# Altium PCB CL-HC-M-V2.2.PcbDoc (part 5 of 18) (continued)
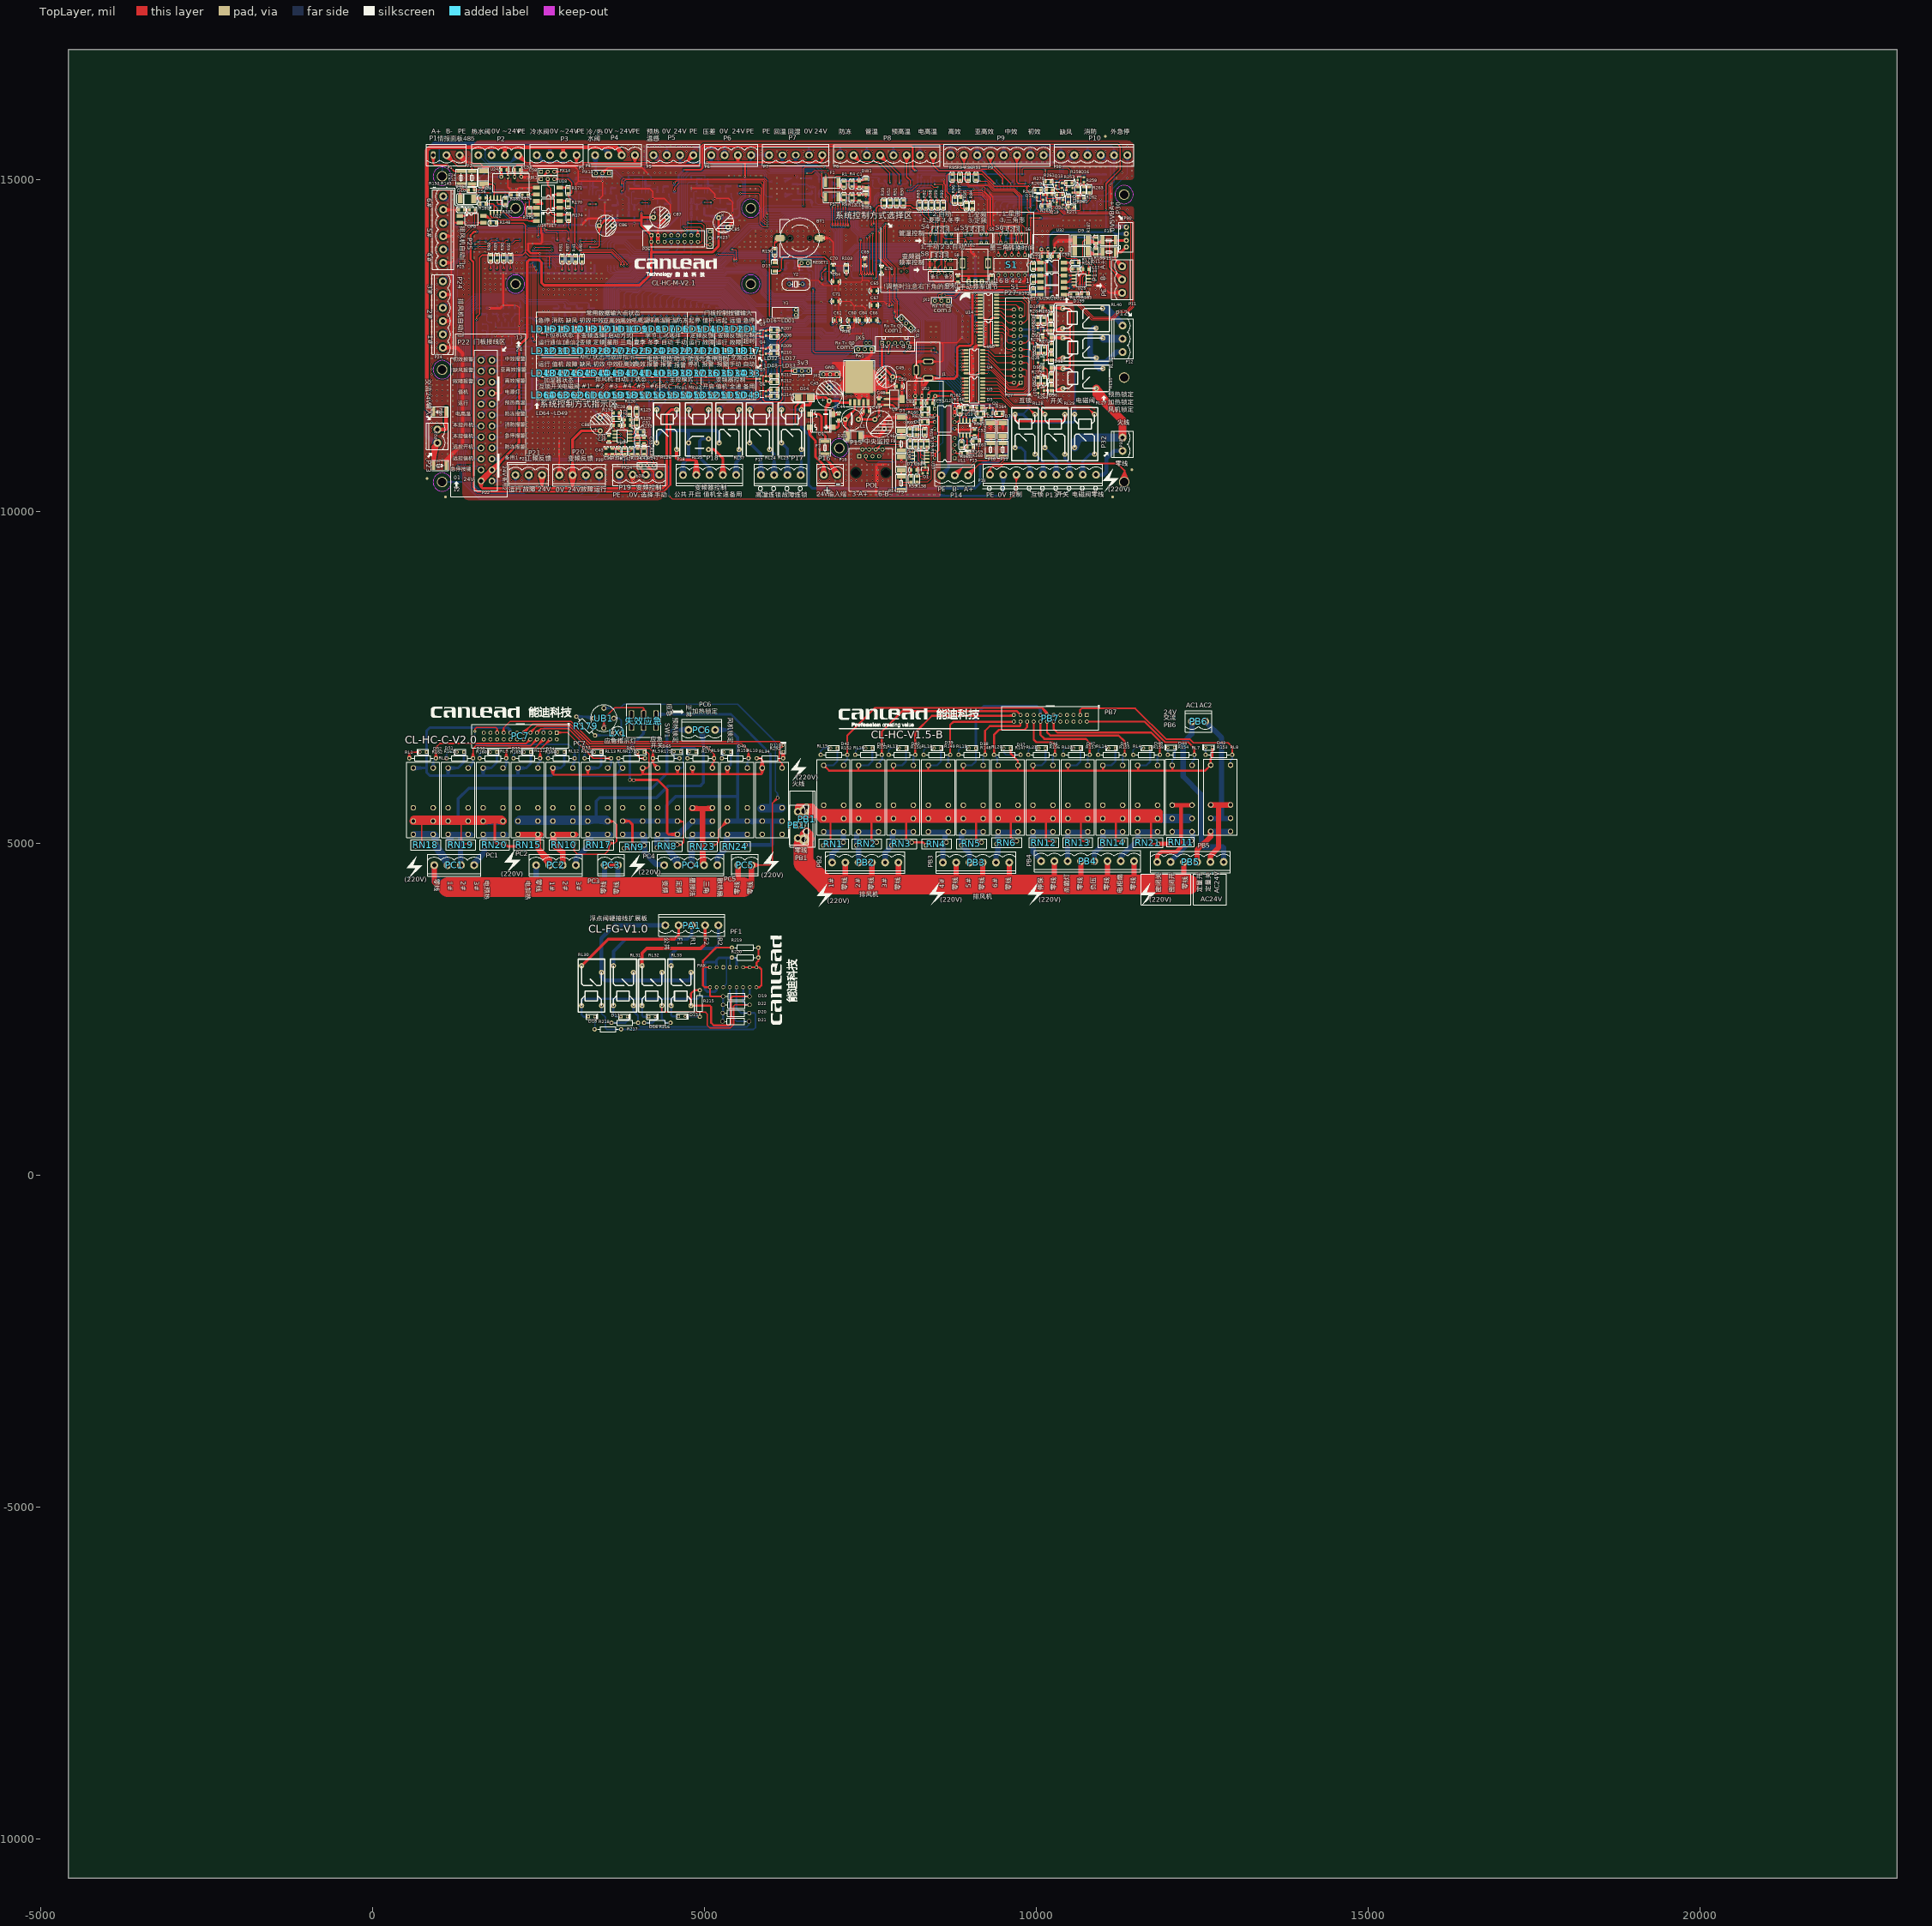
[diagram p0: TopLayer view]
## Nets (pads, with @x,y where several pads share a name; then routed paths per layer and width w, separated by ;. In a path a pad name is that pad's centre, name@x,y a point inside that pad or via, vN(x,y) a via of type N, cw(c..) or ccw(c..) an arc to the next point about the centre after c; other vN are vias at no path point) (continued)
  TopLayer w15: v1(9792.04,15083.71) 9792.04,15158.71 9809.31,15175.98 10478.86,15175.98 10511.13,15143.71 v1(10511.13,15083.5)
  TopLayer w30: 4487.86,11224.73 v1(4487.86,11327.23) 4487.86,10403.03 4383.54,10298.71 1585.68,10298.71 1520.21,10364.17 1520.21,13760.54 1478.41,13802.34 1478.41,14165.07 1527.5,14214.16 ; v1(4694.98,15148.71) 4944.57,15148.71 4971.62,15175.76 4971.62,15473.93 4998.72,15501.03 8120.73,15501.03 8138.93,15482.83 8138.93,15176.44 v1(8178.82,15136.55) ; v1(6370.29,11325.43) 6370.29,11579.11 6413.18,11622 ; D14.K@6378.74,11713.9 6413.18,11622 ; D14.K@6447.62,11713.9 6413.18,11622 ; 1527.5,14214.16 v1(1565.68,14214.16) 1527.5,14214.16 ; 6413.18,11622 D14.K@6413.18,11720.15 6413.18,11622
  BottomLayer w15: R57.1@1622.38,14213.36 R64.1@1707.38,14213.36 R73.1@1962.38,14213.36 R74.1@2047.38,14213.36 R79.1@2132.38,14213.36 R80.1@2217.38,14213.36 R53.1@2697.38,14213.36 R54.1@2782.38,14213.36 R55.1@2867.38,14213.36 R56.1@2957.38,14213.36 R17.1@3047.38,14213.36 R251.1@3132.38,14213.36 R16.1@3222.38,14213.36 R250.1@3307.38,14213.36 ; R57.1@1626.53,14200.89 R64.1@1692.1,14202.69 ; R57.1@1626.53,14225.83 R64.1@1692.1,14224.03 ; R57.1@1630.57,14201.27 R64.1@1692.1,14224.03 ; R57.1@1630.57,14225.44 R64.1@1692.1,14202.69 ; R64.1@1701.17,14200.92 R57.1@1637.38,14213.36 ; R64.1@1701.17,14225.8 R57.1@1637.38,14213.36 ; R64.1@1702.38,14213.36 R57.1@1637.38,14213.36 ; R64.1@1711.33,14225.81 R65.1@1777.03,14225.07 ; R64.1@1711.73,14200.87 R65.1@1777.15,14203.73 ; R64.1@1713.38,14225.82 R65.1@1777.37,14214.38 ; R64.1@1713.58,14200.92 R65.1@1777.38,14213.36 ; R64.1@1713.58,14225.8 R65.1@1777.38,14213.36 ; R64.1@1713.77,14200.94 R65.1@1777.37,14214.38 ; R64.1@1715.38,14225.49 R65.1@1777.15,14203.73 ; R64.1@1715.76,14201.33 R65.1@1777.03,14225.07 ; R65.1@1785.94,14226.98 R64.1@1722.36,14213.36 ; R65.1@1786.4,14202.1 R64.1@1722.36,14213.36 ; R65.1@1787.38,14214.57 R64.1@1722.36,14213.36 ; R65.1@1797.38,14214.57 R72.1@1862.4,14213.36 ; R65.1@1798.35,14202.1 R72.1@1862.4,14213.36 ; R65.1@1798.81,14226.98 R72.1@1862.4,14213.36 ; R72.1@1869.14,14226.64 R65.1@1807.84,14203.77 ; R72.1@1869.2,14202.47 R65.1@1807.37,14225.15 ; R72.1@1870.94,14226.98 R65.1@1807.35,14213.36 ; R72.1@1871.14,14227 R65.1@1807.31,14214.38 ; R72.1@1871.21,14202.12 R65.1@1807.31,14214.38 ; R72.1@1871.41,14202.1 R65.1@1807.35,14213.36 ; R72.1@1873.2,14227.04 R65.1@1807.37,14225.15 ; R72.1@1873.25,14202.1 R65.1@1807.84,14203.77 ; R72.1@1881.3,14202.11 R73.1@1946.83,14202.74 ; R72.1@1881.75,14227.05 R73.1@1947.42,14224.09 ; R72.1@1885.35,14202.43 R73.1@1947.42,14224.09 ; R72.1@1885.79,14226.59 R73.1@1946.83,14202.74 ; R73.1@1956.17,14200.92 R72.1@1892.38,14213.36 ; R73.1@1956.17,14225.8 R72.1@1892.38,14213.36 ; R73.1@1957.38,14213.36 R72.1@1892.38,14213.36 ; R73.1@1967.38,14213.36 R74.1@2032.38,14213.36 ; R73.1@1968.58,14200.92 R74.1@2032.38,14213.36 ; R73.1@1968.58,14225.8 R74.1@2032.38,14213.36 ; R74.1@2039.18,14201.27 R73.1@1977.66,14224.03 ; R74.1@2039.18,14225.44 R73.1@1977.66,14202.69 ; R74.1@2043.22,14200.89 R73.1@1977.66,14202.69 ; R74.1@2043.22,14225.83 R73.1@1977.66,14224.03 ; R74.1@2051.53,14200.89 R79.1@2117.1,14202.69 ; R74.1@2051.53,14225.83 R79.1@2117.1,14224.03 ; R74.1@2055.57,14201.27 R79.1@2117.1,14224.03 ; R74.1@2055.57,14225.44 R79.1@2117.1,14202.69 ; R79.1@2126.17,14200.92 R74.1@2062.38,14213.36 ; R79.1@2126.17,14225.8 R74.1@2062.38,14213.36 ; R79.1@2127.38,14213.36 R74.1@2062.38,14213.36 ; R79.1@2136.53,14200.89 R80.1@2202.1,14202.69 ; R79.1@2136.53,14225.83 R80.1@2202.1,14224.03 ; R79.1@2140.57,14201.27 R80.1@2202.1,14224.03 ; R79.1@2140.57,14225.44 R80.1@2202.1,14202.69 ; R80.1@2211.17,14200.92 R79.1@2147.38,14213.36 ; R80.1@2211.17,14225.8 R79.1@2147.38,14213.36 ; R80.1@2212.38,14213.36 R79.1@2147.38,14213.36 ; R80.1@2222.38,14213.36 2287.38,14213.36 ; R80.1@2223.58,14200.92 2287.38,14213.36 ; R80.1@2223.58,14225.8 2287.38,14213.36 ; R53.1@2691.17,14200.92 2627.38,14213.36 ; R53.1@2691.17,14225.8 2627.38,14213.36 ; R53.1@2692.38,14213.36 2627.38,14213.36 ; R53.1@2702.38,14213.36 R54.1@2767.38,14213.36 ; R53.1@2703.58,14200.92 R54.1@2767.38,14213.36 ; R53.1@2703.58,14225.8 R54.1@2767.38,14213.36 ; R54.1@2774.18,14201.27 R53.1@2712.66,14224.03 ; R54.1@2774.18,14225.44 R53.1@2712.66,14202.69 ; R54.1@2778.22,14200.89 R53.1@2712.66,14202.69 ; R54.1@2778.22,14225.83 R53.1@2712.66,14224.03 ; R54.1@2787.38,14213.36 R55.1@2852.38,14213.36 ; R54.1@2788.58,14200.92 R55.1@2852.38,14213.36 ; R54.1@2788.58,14225.8 R55.1@2852.38,14213.36 ; R55.1@2859.18,14201.27 R54.1@2797.66,14224.03 ; R55.1@2859.18,14225.44 R54.1@2797.66,14202.69 ; R55.1@2863.22,14200.89 R54.1@2797.66,14202.69 ; R55.1@2863.22,14225.83 R54.1@2797.66,14224.03 ; R55.1@2872.38,14213.36 R56.1@2937.38,14213.36 ; R55.1@2873.58,14200.92 R56.1@2937.38,14213.36 ; R55.1@2873.58,14225.8 R56.1@2937.38,14213.36 ; R56.1@2949.36,14201.23 R55.1@2887.1,14223.16 ; R56.1@2949.36,14225.49 R55.1@2887.1,14203.55 ; R56.1@2953.05,14200.88 R55.1@2887.1,14203.55 ; R56.1@2953.05,14225.84 R55.1@2887.1,14223.16 ; R56.1@2961.7,14200.88 R17.1@3027.66,14203.55 ; R56.1@2961.7,14225.84 R17.1@3027.66,14223.16 ; R56.1@2965.39,14201.23 R17.1@3027.66,14223.16 ; R56.1@2965.39,14225.49 R17.1@3027.66,14203.55 ; R17.1@3041.17,14200.92 R56.1@2977.38,14213.36 ; R17.1@3041.17,14225.8 R56.1@2977.38,14213.36 ; R17.1@3042.38,14213.36 R56.1@2977.38,14213.36 ; R17.1@3051.53,14200.89 R251.1@3117.1,14202.69 ; R17.1@3051.53,14225.83 R251.1@3117.1,14224.03 ; R17.1@3055.57,14201.27 R251.1@3117.1,14224.03 ; R17.1@3055.57,14225.44 R251.1@3117.1,14202.69 ; R251.1@3126.17,14200.92 R17.1@3062.38,14213.36 ; R251.1@3126.17,14225.8 R17.1@3062.38,14213.36 ; R251.1@3127.38,14213.36 R17.1@3062.38,14213.36 ; R251.1@3137.38,14213.36 R16.1@3202.38,14213.36 ; R251.1@3138.58,14200.92 R16.1@3202.38,14213.36 ; R251.1@3138.58,14225.8 R16.1@3202.38,14213.36 ; R16.1@3214.36,14201.23 R251.1@3152.1,14223.16 ; R16.1@3214.36,14225.49 R251.1@3152.1,14203.55 ; R16.1@3218.05,14200.88 R251.1@3152.1,14203.55 ; R16.1@3218.05,14225.84 R251.1@3152.1,14223.16 ; R16.1@3226.53,14200.89 R250.1@3292.1,14202.69 ; R16.1@3226.53,14225.83 R250.1@3292.1,14224.03 ; R16.1@3230.57,14201.27 R250.1@3292.1,14224.03 ; R16.1@3230.57,14225.44 R250.1@3292.1,14202.69 ; R250.1@3301.17,14200.92 R16.1@3237.38,14213.36 ; R250.1@3301.17,14225.8 R16.1@3237.38,14213.36 ; R250.1@3302.38,14213.36 R16.1@3237.38,14213.36 ; R22.1@10466.61,15080.04 10463.86,15083.5 v1(10511.13,15083.5) ; R22.1@10471.61,15080.04 v1(10511.13,15083.5) ; R22.1@10472.49,15092.51 v1(10511.13,15083.5) ; R22.1@10474.64,15067.91 v1(10511.13,15083.5) ; R23.1@10542.38,15071.22 v1(10511.13,15083.5) ; R23.1@10542.38,15095.78 v1(10511.13,15083.5) ; R23.1@10544.71,15083.5 v1(10511.13,15083.5) ; R23.1@10554.71,15083.5 R20.1@10619.71,15083.5 ; R23.1@10555.91,15071.06 R20.1@10619.71,15083.5 ; R23.1@10555.91,15095.94 R20.1@10619.71,15083.5 ; R20.1@10625.63,15071.42 R23.1@10564.19,15094.32 ; R20.1@10625.63,15095.57 R23.1@10564.19,15072.67 ; R20.1@10629.74,15071.03 R23.1@10564.19,15072.67 ; R20.1@10629.74,15095.97 R23.1@10564.19,15094.32 ; R20.1@10638.01,15071.03 R21.1@10703.58,15072.83 ; R20.1@10638.01,15095.97 R21.1@10703.58,15094.17 ; R20.1@10642.06,15071.41 R21.1@10703.58,15094.17 ; R20.1@10642.06,15095.58 R21.1@10703.58,15072.83 ; R21.1@10712.66,15071.06 R20.1@10648.86,15083.5 ; R21.1@10712.66,15095.94 R20.1@10648.86,15083.5 ; R21.1@10713.86,15083.5 R20.1@10648.86,15083.5 ; R21.1@10723.04,15071.02 R18.1@10788.64,15072.98 ; R21.1@10723.04,15095.97 R18.1@10788.64,15094.02 ; R21.1@10727.03,15071.41 R18.1@10788.64,15094.02 ; R21.1@10727.03,15095.59 R18.1@10788.64,15072.98 ; R18.1@10798.5,15071.06 R21.1@10734.71,15083.5 ; R18.1@10798.5,15095.94 R21.1@10734.71,15083.5 ; R18.1@10799.71,15083.5 R21.1@10734.71,15083.5 ; R18.1@10809.71,15083.5 R19.1@10874.71,15083.5 ; R18.1@10810.91,15071.06 R19.1@10874.71,15083.5 ; R18.1@10810.91,15095.94 R19.1@10874.71,15083.5 ; R19.1@10885.81,15071.38 R18.1@10823.72,15093.44 ; R19.1@10885.81,15095.62 R18.1@10823.72,15073.55 ; R19.1@10889.56,15071.02 R18.1@10823.72,15073.55 ; R19.1@10889.56,15095.98 R18.1@10823.72,15093.44 ; R19.1@10898.01,15071.03 R10.1@10963.58,15072.83 ; R19.1@10898.01,15095.97 R10.1@10963.58,15094.17 ; R19.1@10902.06,15071.41 R10.1@10963.58,15094.17 ; R19.1@10902.06,15095.58 R10.1@10963.58,15072.83 ; R10.1@10972.66,15071.06 R19.1@10908.86,15083.5 ; R10.1@10972.66,15095.94 R19.1@10908.86,15083.5 ; R10.1@10973.86,15083.5 R19.1@10908.86,15083.5 ; R10.1@10983.86,15083.5 R14.1@11048.86,15083.5 ; R10.1@10985.06,15071.06 R14.1@11048.86,15083.5 ; R10.1@10985.06,15095.94 R14.1@11048.86,15083.5 ; R14.1@11055.66,15071.41 R10.1@10994.14,15094.17 ; R14.1@11055.66,15095.58 R10.1@10994.14,15072.83 ; R14.1@11059.71,15071.03 R10.1@10994.14,15072.83 ; R14.1@11059.71,15095.97 R10.1@10994.14,15094.17 ; R14.1@11063.86,15083.5 R10.1@10978.86,15083.5 R19.1@10893.86,15083.5 R18.1@10804.71,15083.5 R21.1@10718.86,15083.5 R20.1@10633.86,15083.5 R23.1@10549.71,15083.5 v1(10511.13,15083.5) ; R57.1@1627.38,14213.36 R64.1@1692.38,14213.36 ; R57.1@1627.38,14213.36 R64.1@1692.1,14202.69 ; R57.1@1627.38,14213.36 R64.1@1692.38,14213.36 ; R57.1@1627.38,14213.36 R64.1@1692.1,14224.03 ; R64.1@1692.38,14213.36 1628.58,14225.8 R64.1@1692.38,14213.36 ; R64.1@1692.38,14213.36 1628.58,14200.92 R64.1@1692.38,14213.36 ; R64.1@1712.38,14213.36 R65.1@1777.38,14213.36 ; R64.1@1712.38,14213.36 R65.1@1777.15,14203.73 ; R64.1@1712.38,14213.36 R65.1@1777.37,14214.38 ; R64.1@1712.38,14213.36 R65.1@1777.03,14225.07 ; R65.1@1807.35,14213.36 R72.1@1872.38,14214.57 ; R65.1@1807.31,14214.38 R72.1@1872.38,14214.57 ; R65.1@1807.37,14225.15 R72.1@1872.38,14214.57 ; R65.1@1807.84,14203.77 R72.1@1872.38,14214.57 ; R72.1@1882.38,14214.57 R73.1@1947.39,14213.36 ; R72.1@1882.38,14214.57 R73.1@1946.83,14202.74 ; R72.1@1882.38,14214.57 R73.1@1947.41,14213.36 ; R72.1@1882.38,14214.57 R73.1@1947.42,14224.09 ; R73.1@1947.39,14213.36 1883.81,14226.98 R73.1@1947.41,14213.36 ; R73.1@1947.39,14213.36 1883.35,14202.1 R73.1@1947.41,14213.36 ; R73.1@1977.38,14213.36 2041.17,14200.92 R73.1@1977.38,14213.36 ; R73.1@1977.38,14213.36 2041.17,14225.8 R73.1@1977.38,14213.36 ; R73.1@1977.38,14213.36 R74.1@2042.38,14213.36 ; R73.1@1977.38,14213.36 R74.1@2042.38,14213.36 ; R73.1@1977.66,14202.69 R74.1@2042.38,14213.36 ; R73.1@1977.66,14224.03 R74.1@2042.38,14213.36 ; R74.1@2052.38,14213.36 R79.1@2117.38,14213.36 ; R74.1@2052.38,14213.36 R79.1@2117.1,14202.69 ; R74.1@2052.38,14213.36 R79.1@2117.38,14213.36 ; R74.1@2052.38,14213.36 R79.1@2117.1,14224.03 ; R79.1@2117.38,14213.36 2053.58,14225.8 R79.1@2117.38,14213.36 ; R79.1@2117.38,14213.36 2053.58,14200.92 R79.1@2117.38,14213.36 ; R79.1@2137.38,14213.36 R80.1@2202.38,14213.36 ; R79.1@2137.38,14213.36 R80.1@2202.1,14202.69 ; R79.1@2137.38,14213.36 R80.1@2202.38,14213.36 ; R79.1@2137.38,14213.36 R80.1@2202.1,14224.03 ; R80.1@2202.38,14213.36 2138.58,14225.8 R80.1@2202.38,14213.36 ; R80.1@2202.38,14213.36 2138.58,14200.92 R80.1@2202.38,14213.36 ; R53.1@2712.38,14213.36 2776.17,14200.92 R53.1@2712.38,14213.36 ; R53.1@2712.38,14213.36 2776.17,14225.8 R53.1@2712.38,14213.36 ; R53.1@2712.38,14213.36 R54.1@2777.38,14213.36 ; R53.1@2712.38,14213.36 R54.1@2777.38,14213.36 ; R53.1@2712.66,14202.69 R54.1@2777.38,14213.36 ; R53.1@2712.66,14224.03 R54.1@2777.38,14213.36 ; R54.1@2797.38,14213.36 2861.17,14200.92 R54.1@2797.38,14213.36 ; R54.1@2797.38,14213.36 2861.17,14225.8 R54.1@2797.38,14213.36 ; R54.1@2797.38,14213.36 R55.1@2862.38,14213.36 ; R54.1@2797.38,14213.36 R55.1@2862.38,14213.36 ; R54.1@2797.66,14202.69 R55.1@2862.38,14213.36 ; R54.1@2797.66,14224.03 R55.1@2862.38,14213.36 ; R55.1@2887.1,14203.55 R56.1@2952.38,14213.36 ; R55.1@2887.1,14223.16 R56.1@2952.38,14213.36 ; R55.1@2887.38,14213.36 2951.17,14200.92 R55.1@2887.38,14213.36 ; R55.1@2887.38,14213.36 2951.17,14225.8 R55.1@2887.38,14213.36 ; R55.1@2887.38,14213.36 R56.1@2952.38,14213.36 ; R55.1@2887.38,14213.36 R56.1@2952.38,14213.36 ; R56.1@2962.38,14213.36 R17.1@3027.38,14213.36 ; R56.1@2962.38,14213.36 R17.1@3027.66,14203.55 ; R56.1@2962.38,14213.36 R17.1@3027.38,14213.36 ; R56.1@2962.38,14213.36 R17.1@3027.66,14223.16 ; R17.1@3027.38,14213.36 2963.58,14225.8 R17.1@3027.38,14213.36 ; R17.1@3027.38,14213.36 2963.58,14200.92 R17.1@3027.38,14213.36 ; R17.1@3052.38,14213.36 R251.1@3117.38,14213.36 ; R17.1@3052.38,14213.36 R251.1@3117.1,14202.69 ; R17.1@3052.38,14213.36 R251.1@3117.38,14213.36 ; R17.1@3052.38,14213.36 R251.1@3117.1,14224.03 ; R251.1@3117.38,14213.36 3053.58,14225.8 R251.1@3117.38,14213.36 ; R251.1@3117.38,14213.36 3053.58,14200.92 R251.1@3117.38,14213.36 ; R251.1@3152.1,14203.55 R16.1@3217.38,14213.36 ; R251.1@3152.1,14223.16 R16.1@3217.38,14213.36 ; R251.1@3152.38,14213.36 3216.17,14200.92 R251.1@3152.38,14213.36 ; R251.1@3152.38,14213.36 3216.17,14225.8 R251.1@3152.38,14213.36 ; R251.1@3152.38,14213.36 R16.1@3217.38,14213.36 ; R251.1@3152.38,14213.36 R16.1@3217.38,14213.36 ; R16.1@3227.38,14213.36 R250.1@3292.38,14213.36 ; R16.1@3227.38,14213.36 R250.1@3292.1,14202.69 ; R16.1@3227.38,14213.36 R250.1@3292.38,14213.36 ; R16.1@3227.38,14213.36 R250.1@3292.1,14224.03 ; R250.1@3292.38,14213.36 3228.58,14225.8 R250.1@3292.38,14213.36 ; R250.1@3292.38,14213.36 3228.58,14200.92 R250.1@3292.38,14213.36 ; R23.1@10563.86,15083.5 10627.66,15071.06 R23.1@10563.86,15083.5 ; R23.1@10563.86,15083.5 10627.66,15095.94 R23.1@10563.86,15083.5 ; R23.1@10563.86,15083.5 R20.1@10628.86,15083.5 ; R23.1@10563.86,15083.5 R20.1@10628.86,15083.5 ; R23.1@10564.19,15072.67 R20.1@10628.86,15083.5 ; R23.1@10564.19,15094.32 R20.1@10628.86,15083.5 ; R20.1@10638.86,15083.5 R21.1@10703.86,15083.5 ; R20.1@10638.86,15083.5 R21.1@10703.58,15072.83 ; R20.1@10638.86,15083.5 R21.1@10703.58,15094.17 ; R20.1@10638.86,15083.5 R21.1@10703.86,15083.5 ; R21.1@10703.86,15083.5 10640.06,15095.94 R21.1@10703.86,15083.5 ; R21.1@10703.86,15083.5 10640.06,15071.06 R21.1@10703.86,15083.5 ; R21.1@10723.86,15083.5 R18.1@10788.86,15083.5 ; R21.1@10723.86,15083.5 R18.1@10788.64,15072.98 ; R21.1@10723.86,15083.5 R18.1@10788.64,15094.02 ; R21.1@10723.86,15083.5 R18.1@10788.86,15083.5 ; R18.1@10788.86,15083.5 10725.06,15095.94 R18.1@10788.86,15083.5 ; R18.1@10788.86,15083.5 10725.06,15071.06 R18.1@10788.86,15083.5 ; R18.1@10823.72,15073.55 R19.1@10888.86,15083.5 ; R18.1@10823.72,15093.44 R19.1@10888.86,15083.5 ; R18.1@10823.86,15083.5 10887.66,15071.06 R18.1@10823.86,15083.5 ; R18.1@10823.86,15083.5 10887.66,15095.94 R18.1@10823.86,15083.5 ; R18.1@10823.86,15083.5 R19.1@10888.86,15083.5 ; R18.1@10823.86,15083.5 R19.1@10888.86,15083.5 ; R19.1@10898.86,15083.5 R10.1@10963.86,15083.5 ; R19.1@10898.86,15083.5 R10.1@10963.58,15072.83 ; R19.1@10898.86,15083.5 R10.1@10963.58,15094.17 ; R19.1@10898.86,15083.5 R10.1@10963.86,15083.5 ; R10.1@10963.86,15083.5 10900.06,15095.94 R10.1@10963.86,15083.5 ; R10.1@10963.86,15083.5 10900.06,15071.06 R10.1@10963.86,15083.5 ; R10.1@10993.86,15083.5 11057.66,15071.06 R10.1@10993.86,15083.5 ; R10.1@10993.86,15083.5 11057.66,15095.94 R10.1@10993.86,15083.5 ; R10.1@10993.86,15083.5 R14.1@11058.86,15083.5 ; R10.1@10993.86,15083.5 R14.1@11058.86,15083.5 ; R10.1@10994.14,15072.83 R14.1@11058.86,15083.5 ; R10.1@10994.14,15094.17 R14.1@11058.86,15083.5
  BottomLayer w30: R57.1@1617.38,14213.36 v1(1565.68,14214.16) R57.1@1622.38,14214.16 ; 1737.39,14214.16 1627.38,14213.36 R64.1@1702.38,14213.36 ; 1762.37,14214.16 R72.1@1872.38,14214.57 ; 1822.39,14214.16 1712.38,14213.36 1787.38,14214.57 1677.37,14214.16 R64.1@1702.38,14213.36 ; 1932.36,14214.16 R74.1@2042.38,14213.36 ; 1992.38,14214.16 R72.1@1882.38,14214.57 ; 2162.38,14214.16 R74.1@2052.38,14213.36 ; R80.1@2222.38,14213.36 2332.77,14209.09 ; 2667.04,14209.09 2777.38,14213.36 2702.38,14213.36 R54.1@2782.38,14209.09 ; 2842.11,14209.09 2952.38,14213.36 R55.1@2872.38,14213.36 ; 3072.67,14209.09 2962.38,14213.36 R17.1@3042.38,14213.36 ; 3107.08,14209.09 3217.38,14213.36 3137.38,14213.36 R16.1@3222.38,14209.09 ; 3162.64,14209.09 3052.38,14213.36 3127.38,14213.36 3017.11,14209.09 R17.1@3042.38,14213.36 ; R250.1@3312.38,14213.36 3422.71,14209.09 ; 3337.71,14209.09 3227.38,14213.36 3302.38,14213.36 R16.1@3222.38,14209.09 ; 4590.51,11325.43 v1(4487.86,11327.23) 4489.66,11325.43 v1(6370.29,11325.43) ; 4618.84,15072.57 v1(4694.98,15148.71) 4609.01,15062.74 4609.01,14446.57 4453.87,14291.43 4124.64,14291.43 4042.29,14209.09 R16.1@3222.38,14209.09 ; R15.1@7535.63,15083.78 R15.1@7538.46,15080.95 ; 7597.81,15080.95 7707.81,15080.95 7630.18,15082.24 R37.1@7712.81,15080.95 ; 7650.76,15080.95 7540.63,15083.78 7620.18,15082.24 R15.1@7538.46,15080.95 ; R32.1@8067.81,15080.95 8109.31,15080.95 ; 8109.31,15078.71 8109.31,15080.95 ; R33.1@8147.81,15080.95 8109.31,15080.95 ; R33.1@8152.81,15080.95 8109.31,15080.95 ; 8281.33,15136.89 v1(8178.82,15136.55) 8123.86,15136.89 ; R30.1@9229.85,15083.5 9215.35,15136.89 ; R57.1@1622.38,14214.16 R80.1@2216.57,14214.16 ; R57.1@1622.38,14214.16 R64.1@1702.38,14213.36 ; R72.1@1872.38,14214.57 1797.38,14214.57 1907.38,14214.16 R72.1@1882.38,14214.57 ; R72.1@1872.38,14214.57 1847.36,14214.16 1957.38,14213.36 R72.1@1882.38,14214.57 ; R74.1@2042.38,14213.36 2017.36,14214.16 R79.1@2127.38,14213.36 ; R74.1@2042.38,14213.36 1967.38,14213.36 2077.39,14214.16 R74.1@2052.38,14213.36 ; R74.1@2052.38,14213.36 R79.1@2127.38,14213.36 ; R79.1@2127.38,14213.36 2102.36,14214.16 2212.38,14213.36 2137.38,14213.36 R80.1@2216.57,14214.16 ; R80.1@2216.57,14214.16 R80.1@2217.38,14213.36 2221.64,14209.09 R54.1@2782.38,14209.09 ; R54.1@2782.38,14209.09 R56.1@2957.38,14209.09 ; R54.1@2782.38,14209.09 2862.38,14213.36 2787.38,14213.36 2897.64,14209.09 R55.1@2872.38,14213.36 ; R55.1@2872.38,14213.36 R56.1@2957.38,14209.09 ; R56.1@2957.38,14209.09 R16.1@3222.38,14209.09 ; R56.1@2957.38,14209.09 R17.1@3042.38,14213.36 ; R15.1@7538.46,15080.95 R37.1@7712.81,15080.95 ; R37.1@7712.81,15080.95 R38.1@7797.81,15080.95 ; R37.1@7712.81,15080.95 7792.81,15080.95 7717.81,15080.95 R38.1@7797.81,15080.95 ; R38.1@7797.81,15080.95 R34.1@7882.81,15080.95 ; R38.1@7797.81,15080.95 7877.81,15080.95 7802.81,15080.95 R34.1@7882.81,15080.95 ; R34.1@7882.81,15080.95 R35.1@7972.81,15080.95 ; R34.1@7882.81,15080.95 7967.81,15080.95 7887.81,15080.95 R35.1@7972.81,15080.95 ; R35.1@7972.81,15080.95 R32.1@8062.81,15080.95 ; R35.1@7972.81,15080.95 8057.81,15080.95 7977.81,15080.95 R32.1@8062.81,15080.95 ; R32.1@8062.81,15080.95 8109.31,15080.95 ; 8109.31,15080.95 8109.31,15122.34 8123.86,15136.89 ; 8123.86,15136.89 9215.35,15136.89 ; 9215.35,15136.89 9234.85,15117.39 ; R30.1@9234.85,15083.5 R31.1@9320.69,15083.5 ; R30.1@9234.85,15083.5 9234.85,15117.39 ; R30.1@9234.85,15083.5 9315.69,15083.5 9239.85,15083.5 R31.1@9320.69,15083.5 ; R30.1@9234.85,15083.5 9234.85,15117.39 ; R31.1@9320.69,15083.5 R28.1@9404.85,15083.5 ; R31.1@9320.69,15083.5 9399.85,15083.5 9325.69,15083.5 R28.1@9404.85,15083.5 ; R28.1@9404.85,15083.5 R29.1@9489.85,15083.5 ; R28.1@9404.85,15083.5 9484.85,15083.5 9409.85,15083.5 R29.1@9489.85,15083.5 ; R29.1@9489.85,15083.5 R26.1@9575.69,15083.5 ; R29.1@9489.85,15083.5 9570.69,15083.5 9494.85,15083.5 R26.1@9575.69,15083.5 ; R26.1@9575.69,15083.5 R27.1@9664.85,15083.5 ; R26.1@9575.69,15083.5 9659.85,15083.5 9580.69,15083.5 R27.1@9664.85,15083.5 ; R27.1@9664.85,15083.5 R24.1@9749.85,15083.5 ; R27.1@9664.85,15083.5 9744.85,15083.5 9669.85,15083.5 R24.1@9749.85,15083.5 ; R24.1@9749.85,15083.5 R25.1@9834.85,15083.5 ; R24.1@9749.85,15083.5 R25.1@9829.85,15083.5 ; R24.1@9749.85,15083.5 v1(9792.04,15083.71) ; R24.1@9749.85,15083.5 v1(9792.04,15083.71) ; R24.1@9754.85,15083.5 R25.1@9834.85,15083.5 ; R24.1@9754.85,15083.5 R25.1@9829.85,15083.5 ; R24.1@9754.85,15083.5 v1(9792.04,15083.71) ; R24.1@9754.85,15083.5 v1(9792.04,15083.71) ; v1(9792.04,15083.71) R25.1@9834.85,15083.5 ; v1(9792.04,15083.71) R25.1@9834.85,15083.5 ; v1(9792.04,15083.71) R25.1@9829.85,15083.5 ; v1(9792.04,15083.71) R25.1@9829.85,15083.5
24V-中效报警灯: P22.2 U8.14 | length 1142.2
  BottomLayer w20: P22.2@1802.48,12260.27 1910.66,12280.18 ; P22.2@1802.48,12300.1 1910.66,12280.18 ; P22.2@1807.93,12240.85 1910.66,12280.18 ; P22.2@1807.93,12319.52 1910.66,12280.18 ; 2207.38,12336.08 U8.14@2282.38,12336.08 ; U8.14@2294.67,12336.08 2073.22,12336.08 2017.32,12280.18 P22.2@1800.66,12280.18 1910.66,12280.18
24V-亚高效报警灯: P22.4 U8.12 | length 1169.2
  BottomLayer w20: P22.4@1802.48,12094.91 1910.66,12114.83 ; P22.4@1802.48,12134.74 1910.66,12114.83 ; P22.4@1807.93,12075.49 1910.66,12114.83 ; P22.4@1807.93,12154.16 1910.66,12114.83 ; 2207.38,12236.08 U8.12@2282.38,12236.08 ; U8.12@2294.67,12236.08 2155.67,12236.08 2034.42,12114.83 P22.4@1800.66,12114.83 1910.66,12114.83
24V-值机: RL25.2 U27.13 | length 1738.4
  BottomLayer w20: RL25.2@4744.8,11558.27 4844.56,11616.83 RL25.2@4786,11517.07 ; RL25.2@4762.76,11535.04 4911.02,11683.29 5988.64,11683.29 6010.95,11705.6 U27.13@6010.95,11818.83 ; 6010.95,11718.83 U27.13@6010.95,11793.83
24V-停机保温: P27.18 U15.16 | length 580.9
  TopLayer w15: U15.16@9403.64,12854.54 9482.41,12854.54 ; U15.16@9428.64,12854.54 9482.41,12854.54 ; P27.18@9662.7,12722.11 9593.07,12743.88 ; P27.18@9662.7,12765.66 9593.07,12743.88 ; 9482.41,12854.54 9593.07,12743.88 ; 9593.07,12743.88 P27.18@9666.03,12743.88 9593.07,12743.88
24V-初效报警灯: P22.1 U8.15 | length 1219.3
  BottomLayer w20: P22.1@1612.62,12313.13 1713.27,12358.15 ; P22.1@1622.5,12295.55 1713.27,12358.15 ; P22.1@1635.3,12280.18 1713.27,12358.15 ; P22.1@1650.67,12267.38 1713.27,12358.15 ; P22.1@1668.25,12257.5 1713.27,12358.15 ; 2207.38,12386.08 U8.15@2282.38,12386.08 ; U8.15@2294.67,12386.08 2052.49,12386.08 2024.56,12358.15 1713.27,12358.15
24V-加湿器-加湿互锁: RL28.1 U3.10 | length 1452.7
  TopLayer w15: U3.10@9194.27,11709.99 9472.52,11709.99 9628.06,11554.45 9890.74,11554.45 RL28.1@9981.53,11463.66 9910.34,11534.85 ; U3.10@9219.27,11709.99 9279.27,11709.99 ; RL28.1@9955.71,11444.98 9910.34,11534.85 ; RL28.1@9968.64,11452.77 9910.34,11534.85 ; RL28.1@9992.42,11476.55 9910.34,11534.85 ; RL28.1@10000.21,11489.48 9910.34,11534.85
24V-加湿器-加湿开关: RL29.2 U3.11 | length 1623.4
  TopLayer w15: U3.11@9194.27,11759.99 9460.98,11759.99 9641.52,11579.45 10015.74,11579.45 RL29.2@10131.53,11463.66 10060.34,11534.85 ; U3.11@9219.27,11759.99 9279.27,11759.99 ; RL29.2@10105.71,11444.98 10060.34,11534.85 ; RL29.2@10118.64,11452.77 10060.34,11534.85 ; RL29.2@10142.42,11476.55 10060.34,11534.85 ; RL29.2@10150.21,11489.48 10060.34,11534.85
24V-加湿器-加湿电磁阀: RL27.1 U3.12 | length 2392.1
  TopLayer w15: U3.12@9194.27,11809.99 9446.34,11809.99 9651.88,11604.45 10070.85,11604.45 10126.97,11548.33 10795.19,11548.33 RL27.1@10879.6,11463.92 10808.41,11535.11 ; U3.12@9219.27,11809.99 9279.27,11809.99 ; RL27.1@10853.79,11445.24 10808.41,11535.11 ; RL27.1@10866.72,11453.03 10808.41,11535.11 ; RL27.1@10890.49,11476.81 10808.41,11535.11 ; RL27.1@10898.29,11489.74 10808.41,11535.11
24V-加热1: P27.4 U4.13 | length 854.6
  TopLayer w15: U4.13@9194.27,12283.43 9282.38,12283.43 9521.92,12043.88 P27.4@9666.03,12043.88 9591.5,12043.88 ; U4.13@9219.27,12283.43 9279.27,12283.43 ; P27.4@9662.77,12022.1 9591.5,12043.88 ; P27.4@9662.77,12065.67 9591.5,12043.88
24V-加热2: P27.19 U14.15 | length 1020
  TopLayer w15: U14.15@9403.64,13217.5 9789.73,13217.5 9866.97,13140.26 9866.97,12895.91 9814.94,12843.88 ; U14.15@9428.64,13217.5 9488.64,13217.5 ; P27.19@9766.03,12843.88 9814.94,12843.88 ; P27.19@9770.99,12822.42 9814.94,12843.88 ; P27.19@9770.99,12865.35 9814.94,12843.88
24V-加热3: P27.1 U4.11 | length 1028.4
  TopLayer w15: U4.11@9194.27,12183.43 9298.16,12183.43 9596.36,11885.23 9707.38,11885.23 ; U4.11@9219.27,12183.43 9279.27,12183.43 ; P27.1@9748.52,11957.25 9707.38,11885.23 ; P27.1@9779.4,11926.38 9707.38,11885.23 ; 9707.38,11885.23 P27.1@9766.03,11943.88 9707.38,11885.23
24V-变频: P27.5 U3.16 | length 1297.3
  TopLayer w15: U3.16@9194.27,12009.99 9400.89,12009.99 9575.65,11835.23 9817.01,11835.23 9858.1,11876.32 9858.1,12120.81 9835.02,12143.88 ; U3.16@9219.27,12009.99 9279.27,12009.99 ; P27.5@9766.03,12143.88 9835.02,12143.88 ; P27.5@9769.55,12122.14 9835.02,12143.88 ; P27.5@9769.55,12165.63 9835.02,12143.88
24V-变频开启: RL26.2 U27.14 | length 2130.8
  BottomLayer w20: RL26.2@4264.8,11558.27 4364.56,11616.83 RL26.2@4306,11517.07 ; RL26.2@4282.76,11535.04 4459.02,11711.29 5934.55,11711.29 5960.95,11737.69 ; U27.14@5960.95,11793.83 5960.95,11737.69 ; U27.14@5960.95,11818.83 5960.95,11737.69
24V-备用: RL37.2 U27.12 | length 1329.2
  BottomLayer w20: RL37.2@5204.8,11558.27 5304.56,11616.83 RL37.2@5246,11517.07 ; RL37.2@5222.76,11535.04 5343.02,11655.29 6011.89,11655.29 6060.95,11704.36 U27.12@6060.95,11818.83 ; 6060.95,11718.83 U27.12@6060.95,11793.83
24V-外接急停报警: P22.16 U25.11 | length 1548.9
  BottomLayer w20: P22.16@1802.48,11102.78 1910.66,11122.7 ; P22.16@1802.48,11142.62 1910.66,11122.7 ; P22.16@1807.93,11083.37 1910.66,11122.7 ; P22.16@1807.93,11162.03 1910.66,11122.7 ; U25.11@2282.38,11716.61 2228.55,11716.61 ; U25.11@2307.38,11716.61 2228.55,11716.61 ; 1910.66,11122.7 P22.16@1800.66,11122.7 1963.04,11122.7 2104.07,11263.73 2104.07,11592.12 2228.55,11716.61
24V-定量阀: P27.3 U4.10 | length 1135.4
  TopLayer w15: U4.10@9194.27,12133.43 9312.8,12133.43 9586,11860.23 9806.66,11860.23 9833.1,11886.67 9833.1,12026.1 9815.31,12043.88 ; U4.10@9219.27,12133.43 9279.27,12133.43 ; P27.3@9766.03,12043.88 9815.31,12043.88 ; P27.3@9770.95,12022.41 9815.31,12043.88 ; P27.3@9770.95,12065.35 9815.31,12043.88
24V-定频: P27.7 U3.15 | length 1470.2
  TopLayer w15: U3.15@9194.27,11959.99 9402.4,11959.99 9562.86,11799.53 9816.67,11799.53 9883.1,11865.96 9883.1,12215.41 9854.62,12243.88 P27.7@9766.03,12243.88 ; U3.15@9219.27,11959.99 9279.27,11959.99 ; P27.7@9769.28,12222.1 9840.56,12243.88 P27.7@9769.28,12265.67
24V-密闭阀: P27.2 U4.12 | length 875.3
  TopLayer w15: U4.12@9194.27,12233.43 9284.42,12233.43 9573.96,11943.88 P27.2@9666.03,11943.88 9591.5,11943.88 ; U4.12@9219.27,12233.43 9279.27,12233.43 ; P27.2@9662.77,11922.1 9591.5,11943.88 ; P27.2@9662.77,11965.67 9591.5,11943.88
24V-情报-负压: OP3.2 P26.6 R249.2 | length 5060.2
  TopLayer w15: v1@6545.83,15097.48 6619.63,15097.48 6661.22,15139.08 v1(6852.92,15139.08) 6795.42,15139.08 ; v1(6546.7,15098.35) 6604.21,15097.48
  BottomLayer w15: P26.6@4388.96,14080.95 4450.8,14112.03 ; P26.6@4401.86,14063.1 4450.8,14112.03 ; P26.6@4419.72,14050.2 4450.8,14112.03 ; 6489.2,15098.35 v1(6546.7,15098.35) 5964.44,15098.35 5914.44,15148.35 4751.73,15148.35 4657.86,15054.48 4657.86,14421.41 4645,14408.55 4645,14252.36 4653.33,14244.02 4653.33,14127.58 4637.79,14112.03 4450.8,14112.03 ; v1(6852.92,15139.08) 7460.5,15139.08 7470.12,15129.45 7470.12,15046.15 7479.99,15036.28 7617.09,15036.28 7625.18,15028.19 ; R249.2@7612.83,14995.3 7625.18,14957.04 ; R249.2@7612.93,14999.76 7625.18,15028.19 ; R249.2@7637.42,14999.76 7625.18,15028.19 ; R249.2@7637.52,14995.3 7625.18,14957.04 ; OP3.2@7712.38,14877.24 7712.38,14935.21 ; OP3.2@7712.38,14907.24 7712.38,14935.21 ; 7625.18,14957.04 7635.56,14946.66 7700.93,14946.66 7712.38,14935.21 ; 7625.18,14957.04 R249.2@7625.18,14997.24 7625.18,15028.19
24V-情报-远值: OP4.8 P26.7 R250.2 | length 2178.9
  BottomLayer w15: OP4.8@3202.76,13970.04 3202.76,14014.7 3219.35,14031.29 ; OP4.8@3202.76,14000.04 3219.35,14031.29 ; R250.2@3294.92,14127.25 3306.88,14063.35 ; R250.2@3319.81,14127.06 3306.88,14063.35 ; P26.7@4480.23,14158.97 4479.31,14222.54 ; P26.7@4520.79,14174.36 4479.31,14222.54 ; 3219.35,14031.29 3306.88,14031.29 ; 3306.88,14031.29 3467.7,14031.29 3557.99,14121.57 4062.25,14121.57 4163.21,14222.54 4479.31,14222.54 ; 3306.88,14031.29 3306.88,14127.86 R250.2@3307.38,14128.36 3306.88,14063.35 ; 4479.31,14222.54 4501.86,14199.99 ; 4479.31,14222.54 P26.7@4501.86,14163.1 ; P26.7@4501.86,14163.1 4501.86,14199.99 ; P26.7@4501.86,14163.1 4501.86,14199.99 ; 4501.86,14199.99 4480.84,14169.67 4501.86,14199.99 ; 4501.86,14199.99 4522.89,14169.67 4501.86,14199.99